# KiCad board GP1247AI.kicad_pcb
title: GP1247AI Power Supply Board; date: 2026-02-09
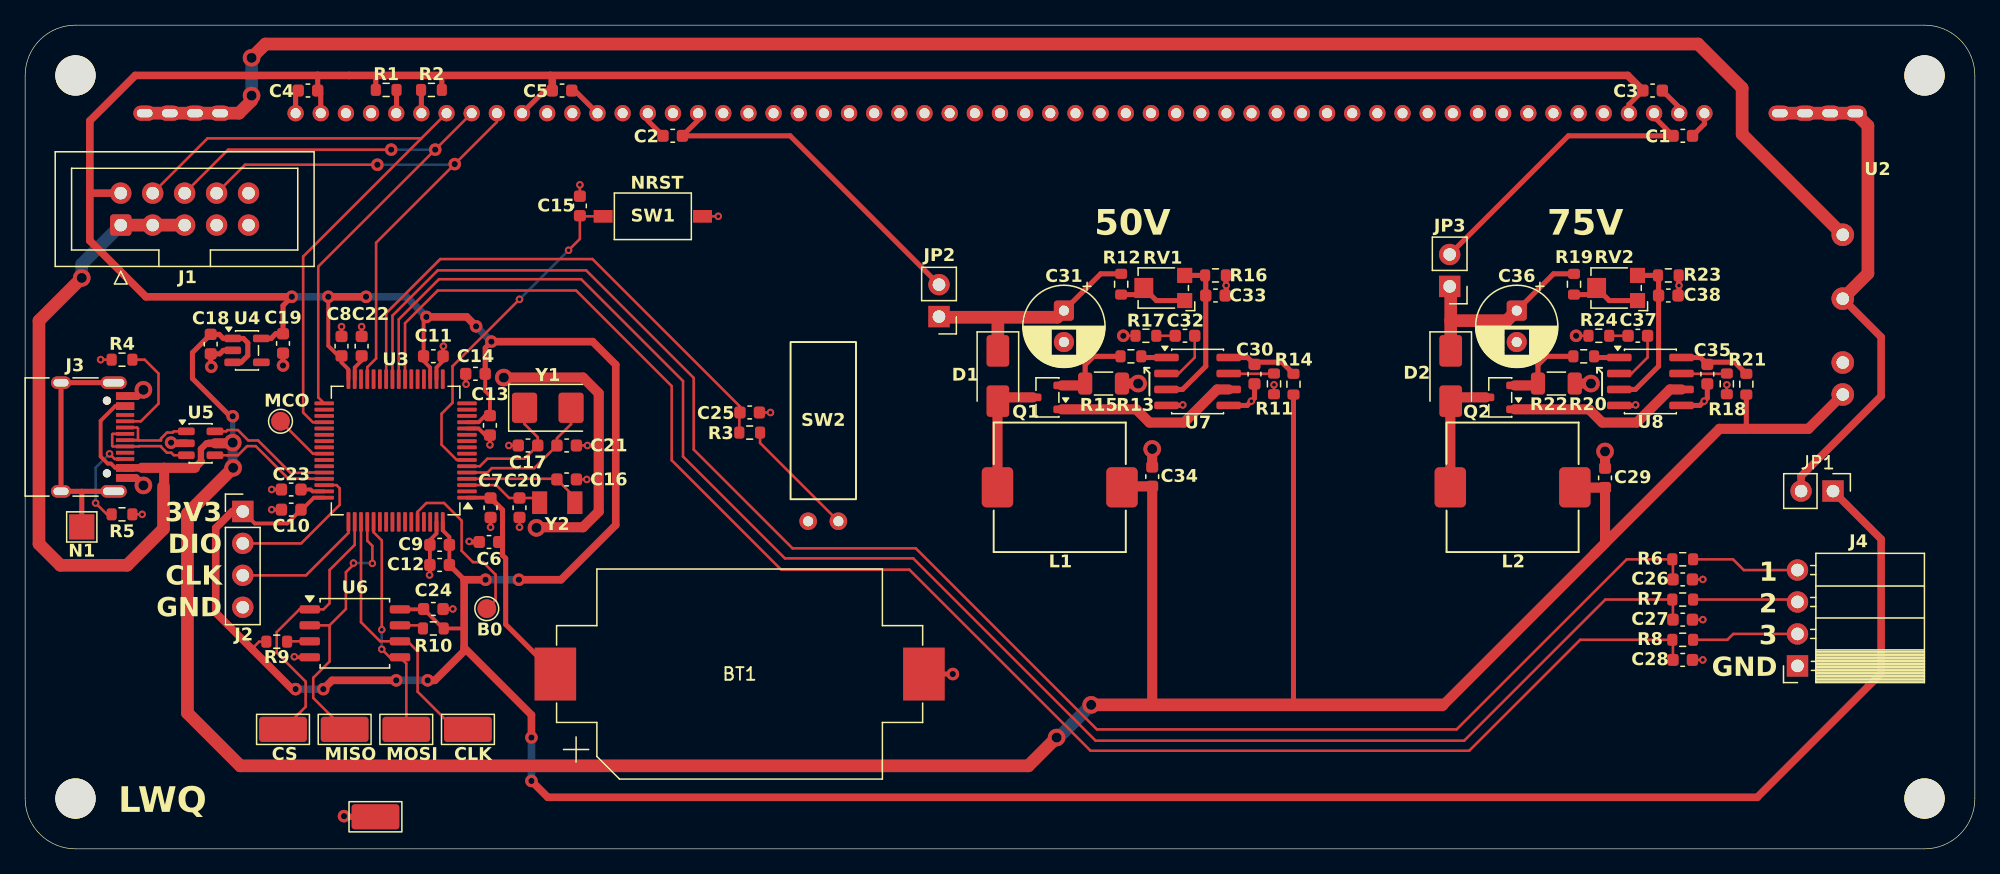
[diagram p0: board, top side]
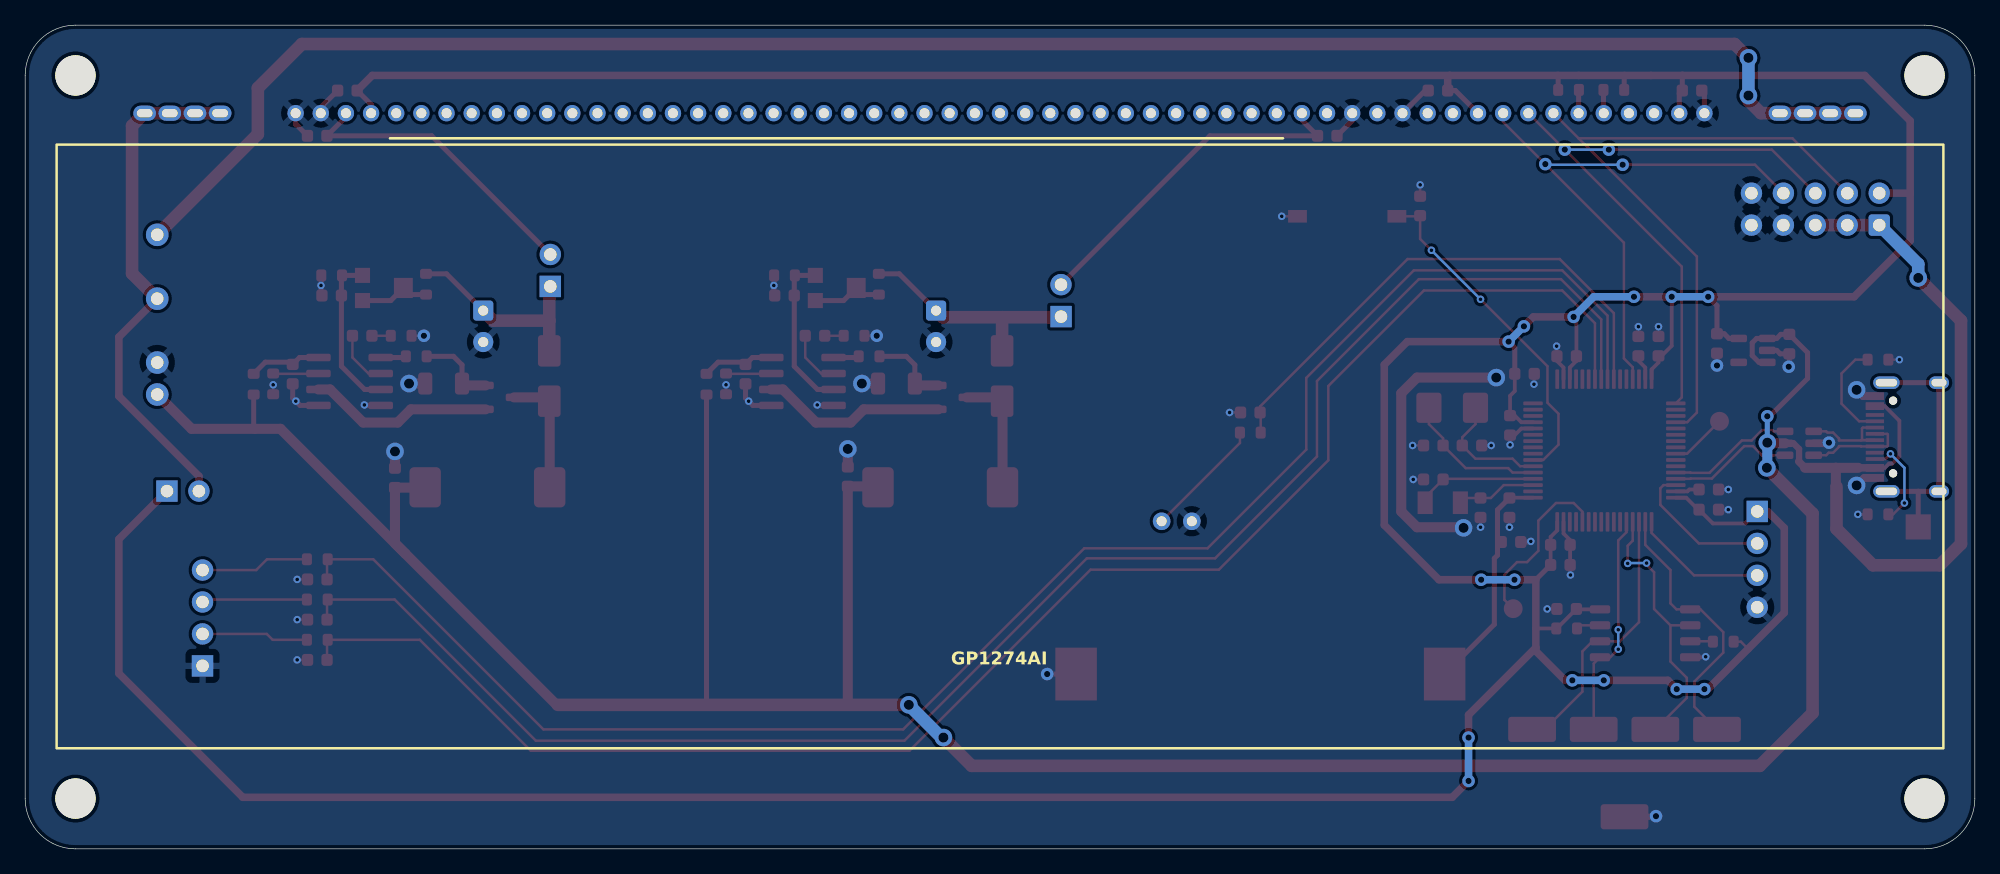
[diagram p1: board, bottom side, seen from below]

Outline 155 x 65.5 mm; copper layers: Top, Bottom. Coordinates in mm from the lower left corner of the outline.
Outline path: 0,61.5 0,4 arc(1.17,1.17) 4,0 151,0 arc(153.83,1.17) 155,4 155,61.5 arc(153.83,64.33) 151,65.5 4,65.5 arc(1.17,64.33) 0,61.5
Stack: Top 0.035mm / dielectric 1.51mm FR4 er 4.5 / Bottom 0.035mm

## Placement (name value [footprint] x y rotation side)
BT1  Battery_Cell  [QIJEY CR2032-BS-6-1]  56.8 13.9 0 top
C1  100n  [C_0603_1608Metric]  131.78 56.7 0 top
C2  100n  [C_0603_1608Metric]  51.48 56.7 180 top
C3  100n  [C_0603_1608Metric]  129.38 60.3 0 top
C4  100n  [C_0603_1608Metric]  22.48 60.3 180 top
C5  100n  [C_0603_1608Metric]  42.68 60.3 0 top
C6  22u  [C_0603_1608Metric]  36.88 24.4 180 top
C7  100n  [C_0603_1608Metric]  37 27.12 270 top
C8  100n  [C_0603_1608Metric]  25.15 39.97 90 top
C9  100n  [C_0603_1608Metric]  32.95 24.17 180 top
C10  100n  [C_0603_1608Metric]  21.15 26.97 180 top
C11  100n  [C_0603_1608Metric]  32.45 39.17 0 top
C12  22u  [C_0603_1608Metric]  32.95 22.58 180 top
C13  10n  [C_0603_1608Metric]  36.95 33.67 270 top
C14  2u2  [C_0603_1608Metric]  35.8 37.78 180 top
C15  100n  [C_0603_1608Metric]  44.1 51.12 270 top
C16  20p  [C_0603_1608Metric]  43.05 32.07 0 top
C17  20p  [C_0603_1608Metric]  39.98 32.07 180 top
C18  22u  [C_0603_1608Metric]  14.75 40.14 270 top
C19  22u  [C_0603_1608Metric]  20.5 40.19 270 top
C20  5p  [C_0603_1608Metric]  39.3 27.12 270 top
C21  5p  [C_0603_1608Metric]  43.05 29.37 0 top
C22  2u2  [C_0603_1608Metric]  26.75 39.97 90 top
C23  2u2  [C_0603_1608Metric]  21.15 28.58 180 top
C24  100n  [C_0603_1608Metric]  32.45 19.08 0 top
C25  22u  [C_0603_1608Metric]  57.6 34.7 0 top
C26  22u  [C_0603_1608Metric]  131.78 21.42 0 top
C27  22u  [C_0603_1608Metric]  131.78 18.22 0 top
C28  22u  [C_0603_1608Metric]  131.78 15.03 0 top
C29  22u  [C_0603_1608Metric]  125.6 29.5 90 top
C30  100n  [C_0603_1608Metric]  97.73 37.75 270 top
C31  22u  [CP_Radial_D6.3mm_P2.50mm]  82.58 42.8 270 top
C32  82p  [C_0603_1608Metric]  92.21 40.8 180 top
C33  82p  [C_0603_1608Metric]  94.63 44 0 top
C34  22u  [C_0603_1608Metric]  89.6 29.6 90 top
C35  100n  [C_0603_1608Metric]  133.73 37.75 270 top
C36  22u  [CP_Radial_D6.3mm_P2.50mm]  118.58 42.8 270 top
C37  180p  [C_0603_1608Metric]  128.21 40.8 180 top
C38  82p  [C_0603_1608Metric]  130.63 44 0 top
D1  SS310A  [D_SMA]  77.33 37.6 270 top
D2  SS310A  [D_SMA]  113.33 37.6 270 top
H1  MountingHole  [MountingHole_3.2mm_M3]  4 61.5 0 top
H2  MountingHole  [MountingHole_3.2mm_M3]  4 4 0 top
H3  MountingHole  [MountingHole_3.2mm_M3]  151 61.5 0 top
H4  MountingHole  [MountingHole_3.2mm_M3]  151 4 0 top
J1  Conn_02x05_Odd_Even  [IDC-Header_2x05_P2.54mm_Vertical]  7.6 49.6 90 top
J2  Conn_01x04_Pin  [PinHeader_1x04_P2.54mm_Vertical]  17.3 26.83 0 top
J3  USB_C_Receptacle_USB2.0_14P  [USB_TYPE-C-31-M-12]  3.9 32.75 270 top
J4  Conn_01x04_Socket  [PinSocket_1x04_P2.54mm_Horizontal]  140.9 14.55 180 top
JP1  Jumper_2_Small_Bridged  [PinHeader_1x02_P2.54mm_Vertical]  143.72 28.45 270 top
JP2  Jumper_2_Small_Bridged  [PinHeader_1x02_P2.54mm_Vertical]  72.65 42.33 180 top
JP3  Jumper_2_Small_Bridged  [PinHeader_1x02_P2.54mm_Vertical]  113.25 44.72 180 top
L1  56u  [Chilisin SCDS105R]  82.25 28.75 270 top
L2  56u  [Chilisin SCDS105R]  118.25 28.75 270 top
N1  Housing_Pad  [TestPoint_Pad_2.0x2.0mm]  4.5 25.6 0 top
Q1  G1003B-23  [SOT-23-3]  81.27 35.9 180 top
Q2  G1003B-23  [SOT-23-3]  117.27 35.9 180 top
R1  5k1  [R_0603_1608Metric]  28.7 60.35 0 top
R2  1k  [R_0603_1608Metric]  32.3 60.35 180 top
R3  1k  [R_0603_1608Metric]  57.6 33.1 180 top
R4  5k1  [R_0603_1608Metric]  7.7 38.9 180 top
R5  5k1  [R_0603_1608Metric]  7.7 26.6 0 top
R6  1k  [R_0603_1608Metric]  131.78 23.03 180 top
R7  1k  [R_0603_1608Metric]  131.78 19.83 180 top
R8  1k  [R_0603_1608Metric]  131.78 16.62 180 top
R9  5k1  [R_0603_1608Metric]  20 16.47 0 top
R10  5k1  [R_0603_1608Metric]  32.45 17.53 180 top
R11  20  [R_0603_1608Metric]  100.83 36.95 90 top
R12  33k  [R_0603_1608Metric]  87.13 44.9 270 top
R13  422  [R_0603_1608Metric]  87.91 39.17 180 top
R14  33k  [R_0603_1608Metric]  99.28 36.97 270 top
R15  140m  [R_1206_3216Metric]  85.73 37 0 top
R16  1k  [R_0603_1608Metric]  94.63 45.6 0 top
R17  1k  [R_0603_1608Metric]  89.1 40.8 180 top
R18  20  [R_0603_1608Metric]  136.83 36.95 90 top
R19  56k  [R_0603_1608Metric]  123.13 44.9 270 top
R20  8.2  [R_0603_1608Metric]  123.91 39.17 180 top
R21  33k  [R_0603_1608Metric]  135.28 36.97 270 top
R22  75m  [R_1206_3216Metric]  121.73 37 0 top
R23  1k  [R_0603_1608Metric]  130.63 45.6 0 top
R24  5k1  [R_0603_1608Metric]  125.11 40.8 180 top
RV1  0-10k  [Potentiometer_Bourns_TC33X_Vertical]  90.38 44.6 180 top
RV2  0-10k  [Potentiometer_Bourns_TC33X_Vertical]  126.38 44.6 180 top
SW1  SW_Push  [Korean Hroparts Elec K2-1107ST-A4DW-06]  49.9 50.3 180 top
SW2  -  [SW-520D]  63.45 26.05 0 top
TP1  TestPoint  [TestPoint_Pad_D1.5mm]  36.7 19.1 0 top
TP2  TestPoint  [TestPoint_Pad_D1.5mm]  20.3 34 0 top
TP3  TestPoint  [TestPoint_Keystone_5019_Miniature]  20.5 9.5 0 top
TP4  TestPoint  [TestPoint_Keystone_5019_Miniature]  35.2 9.5 0 top
TP5  TestPoint  [TestPoint_Keystone_5019_Miniature]  30.3 9.5 180 top
TP6  TestPoint  [TestPoint_Keystone_5019_Miniature]  25.4 9.5 0 top
TP7  TestPoint  [TestPoint_Keystone_5019_Miniature]  27.85 2.55 0 top
U1  ~  [GP1247AI]  77.5 32 180 bottom
U2  -  [B0505S-2WR3]  144.5 36.13 90 top
U3  STM32F405RGTx  [LQFP-64_10x10mm_P0.5mm]  29.45 31.67 180 top
U4  TLV75733PDBV  [SOT-23-5]  17.64 39.64 0 top
U5  USBLC6-2SC6  [SOT-23-6]  13.95 32.25 0 top
U6  W25Q128JVSIQ  [SOIC-8_5.3x5.3mm_P1.27mm]  26.21 17.14 0 top
U7  LM3478MA  [SOIC-8_3.9x4.9mm_P1.27mm]  93.21 37.17 0 top
U8  LM3478MA  [SOIC-8_3.9x4.9mm_P1.27mm]  129.21 37.17 0 top
Y1  8 MHz  [Crystal_SMD_5032-2Pin_5.0x3.2mm]  41.55 35.08 0 top
Y2  32.768 kHz  [SMD3215-2P]  42.3 27.53 0 top

## Library data of the parts
BT1 = -: Datasheet: https://www.lcsc.com/datasheet/C70377.pdf; Description: Single-cell battery; Sim.Device: V; Sim.Type: DC; Sim.Pins: 1=+ 2=-; LCSC PART #: C70377
C1-C5 C13 C15 C24 C30 C35 = -: Datasheet: https://www.lcsc.com/datasheet/C15725.pdf; Description: Unpolarized capacitor; LCSC PART #: C15725; ki_fp_filters: C_*
C6 C12 C18 C19 C25-C29 C34 = -: Datasheet: https://www.lcsc.com/datasheet/C7432770.pdf; Description: Unpolarized capacitor; LCSC PART #: C7432770; ki_fp_filters: C_*
C7-C11 = -: Datasheet: https://www.lcsc.com/datasheet/C15725.pdf; Description: Unpolarized capacitor, small symbol; LCSC PART #: C15725; ki_fp_filters: C_*
C14 = -: Datasheet: https://www.lcsc.com/datasheet/C23630.pdf; Description: Unpolarized capacitor; LCSC PART #: C23630; ki_fp_filters: C_*
C16 C17 = -: Datasheet: https://www.lcsc.com/datasheet/C326779.pdf; Description: Unpolarized capacitor, small symbol; LCSC PART #: C326779; ki_fp_filters: C_*
C20 C21 = -: Datasheet: https://www.lcsc.com/datasheet/C327203.pdf; Description: Unpolarized capacitor, small symbol; LCSC PART #: C327203; ki_fp_filters: C_*
C22 C23 = -: Datasheet: https://www.lcsc.com/datasheet/C23630.pdf; Description: Unpolarized capacitor, small symbol; LCSC PART #: C23630; ki_fp_filters: C_*
C31 C36 = -: Datasheet: https://www.lcsc.com/datasheet/C44606504.pdf; Description: Polarized capacitor; LCSC PART #: C44606504; ki_fp_filters: CP_*
C32 C33 C38 = -: Datasheet: https://www.lcsc.com/datasheet/C1864236.pdf; Description: Unpolarized capacitor; LCSC PART #: C1864236; ki_fp_filters: C_*
C37 = -: Datasheet: https://www.lcsc.com/datasheet/C2170987.pdf; Description: Unpolarized capacitor; LCSC PART #: C2170987; ki_fp_filters: C_*
D1 D2 = -: Datasheet: https://www.lcsc.com/datasheet/C48996628.pdf; Description: Schottky diode; LCSC PART #: C48996628; ki_fp_filters: TO-???* *_Diode_* *SingleDiode* D_*
H1-H4 = -: Description: Mounting Hole without connection; ki_fp_filters: MountingHole*
J1 = -: Description: Generic connector, double row, 02x05, odd/even pin numbering scheme (row 1 odd numbers, row 2 even numbers), script generated (kicad-library-utils/schlib/autogen/connector/); ki_fp_filters: Connector*:*_2x??_*
J2 J4 = -: Datasheet: https://www.lcsc.com/datasheet/C2897386.pdf; Description: Generic connector, single row, 01x04, script generated; LCSC PART #: C2897386; ki_fp_filters: Connector*:*_1x??_*
J3 = -: Datasheet: https://www.usb.org/sites/default/files/documents/usb_type-c.zip; Description: USB 2.0-only 14P Type-C Receptacle connector; LCSC PART #: C165948; ki_fp_filters: USB*C*Receptacle*
JP1-JP3 = -: Description: Jumper, 2-pole, small symbol, bridged; ki_fp_filters: Jumper* TestPoint*2Pads* TestPoint*Bridge*
L1 L2 = -: Datasheet: https://www.lcsc.com/datasheet/C329728.pdf; Description: Inductor; LCSC PART #: C329728; ki_fp_filters: Choke_* *Coil* Inductor_* L_*
N1 = -: Description: Housing with connection pin
Q1 Q2 = -: Datasheet: https://www.lcsc.com/datasheet/C41367401.pdf; LCSC PART #: C22362809; ki_fp_filters: SOT?23*
R1 R4 R5 R9 R10 R24 = -: Datasheet: https://www.lcsc.com/datasheet/C23186.pdf; Description: Resistor; LCSC PART #: C23186; ki_fp_filters: R_*
R2 R3 R6-R8 R16 R17 R23 = -: Datasheet: https://www.lcsc.com/datasheet/C2907002.pdf; Description: Resistor; LCSC PART #: C2907002; ki_fp_filters: R_*
R11 R18 = -: Datasheet: https://www.lcsc.com/datasheet/C2907012.pdf; Description: Resistor; LCSC PART #: C2907012; ki_fp_filters: R_*
R12 R14 R21 = -: Datasheet: https://www.lcsc.com/datasheet/C2907028.pdf; Description: Resistor; LCSC PART #: C2907028; ki_fp_filters: R_*
R13 = -: Datasheet: https://www.lcsc.com/datasheet/C5204003.pdf; Description: Resistor; LCSC PART #: C5204003; ki_fp_filters: R_*
R15 = -: Datasheet: https://www.lcsc.com/datasheet/C37935.pdf; Description: Resistor; LCSC PART #: C37935; ki_fp_filters: R_*
R19 = -: Datasheet: https://www.lcsc.com/datasheet/C2907053.pdf; Description: Resistor; LCSC PART #: C2907053; ki_fp_filters: R_*
R20 = -: Datasheet: https://www.lcsc.com/datasheet/C861594.pdf; Description: Resistor; LCSC PART #: C861594; ki_fp_filters: R_*
R22 = -: Datasheet: https://www.lcsc.com/datasheet/C2904225.pdf; Description: Resistor; LCSC PART #: C2904225; ki_fp_filters: R_*
RV1 RV2 = -: Datasheet: https://www.lcsc.com/datasheet/C719176.pdf; Description: Potentiometer; LCSC PART #: C719176; ki_fp_filters: Potentiometer*
SW1 = -: Datasheet: https://www.lcsc.com/datasheet/C118141.pdf; Description: Push button switch, generic, two pins; LCSC PART #: C118141
SW2 = -: Datasheet: https://www.lcsc.com/datasheet/C2905288.pdf; Description: Single Pole Single Throw (SPST) switch; LCSC PART #: C2905288
TP1 TP2 = -: Description: test point; ki_fp_filters: Pin* Test*
TP3-TP7 = -: Datasheet: https://www.lcsc.com/datasheet/C5199800.pdf; Description: test point; LCSC PART #: C5199800; ki_fp_filters: Pin* Test*
U1 = -: Datasheet: https://drive.google.com/file/d/1AvN5UNpLIzMM8QzgwikIQiSCDImiOtRc/view?usp=drivesdk; Description: 253x63 chip on glass VFD
U2 = -: Datasheet: https://www.lcsc.com/datasheet/C7465195.pdf; Description: 400mA 5V isolated power supply; LCSC PART #: C7465195; ki_fp_filters: Converter*DCDC*TRACO*TMA*05xx*Single*
U3 = -: Datasheet: https://www.st.com/resource/en/datasheet/stm32f405rg.pdf; Description: STMicroelectronics Arm Cortex-M4 MCU, 1024KB flash, 192KB RAM, 168 MHz, 1.8-3.6V, 51 GPIO, LQFP64; LCSC PART #: C15742; ki_fp_filters: LQFP*10x10mm*P0.5mm*
U4 = -: Datasheet: https://www.ti.com/lit/ds/symlink/tlv757p.pdf; Description: 1A Low IQ Small Size Low Dropout Voltage Regulator, Fixed Output 3.3V, SOT-23-5; LCSC PART #: C485517; ki_fp_filters: SOT?23*
U5 = -: Datasheet: https://www.st.com/resource/en/datasheet/usblc6-2.pdf; Description: Very low capacitance ESD protection diode, 2 data-line, SOT-23-6; LCSC PART #: C7519; ki_fp_filters: SOT?23*
U6 = -: Datasheet: https://www.lcsc.com/datasheet/C97521.pdf; Description: 128Mbit / 16MiB Serial Flash Memory, Standard/Dual/Quad SPI, 2.7-3.6V, SOIC-8; LCSC PART #: C97521; ki_fp_filters: *SOIC*5.3x5.3mm*P1.27mm*
U7 U8 = -: Datasheet: https://www.ti.com/lit/gpn/lm3478; Description: 2.97~40V Wide Input Range Boost/SEPIC/Flyback DC-DC Controller, SOIC-8; LCSC PART #: C115907; ki_fp_filters: SOIC-8*3.9x4.9mm_P1.27mm*
Y1 = -: Datasheet: https://www.lcsc.com/datasheet/C46613796.pdf; Description: Two pin crystal CL = 20pF; LCSC PART #: C46613796; ki_fp_filters: Crystal*
Y2 = -: Datasheet: https://www.lcsc.com/datasheet/C42438016.pdf; Description: Two pin crystal CL = 12.5pF; LCSC PART #: C42438016; ki_fp_filters: Crystal*

## Footprints (pads in the part's own frame, mm; a bottom-side part is the same pattern mirrored in y, then rotated)
B0505S-2WR3
  round 1.8 hole 1: 1(0,0) 2(2.54,0) 4(7.62,0) 6(12.7,0)
C_0603_1608Metric
  rrect 0.9x0.95 smd: 1(-0.775,0) 2(0.775,0)
Chilisin SCDS105R
  rrect 3.2x2.5 smd: 1(0,4.95) 2(0,-4.95)
CP_Radial_D6.3mm_P2.50mm
  rrect 1.6x1.6 hole 0.8: 1(0,0)
  round 1.6 hole 0.8: 2(2.5,0)
Crystal_SMD_5032-2Pin_5.0x3.2mm
  rrect 2x2.4 smd: 1(-1.85,0) 2(1.85,0)
D_SMA
  rrect 2.5x1.8 smd: 1(-2,0) 2(2,0)
GP1247AI
  oval 1.8x1.2 hole 1.25x0.65: 1(68,26.5) 2(66,26.5) 3(64,26.5) 4(62,26.5) 62(-62,26.5) 63(-64,26.5) 64(-66,26.5) 65(-68,26.5)
  round 1.3 hole 0.8: 5(56,26.5) 6(54,26.5) 7(52,26.5) 8(50,26.5) 9(48,26.5) 10(46,26.5) 11(44,26.5) 12(42,26.5) 13(40,26.5) 14(38,26.5) 15(36,26.5) 16(34,26.5) 17(32,26.5) 18(30,26.5) 19(28,26.5) 20(26,26.5) 21(24,26.5) 22(22,26.5) 23(20,26.5) 24(18,26.5) 25(16,26.5) 26(14,26.5) 27(12,26.5) 28(10,26.5) 29(8,26.5) 30(6,26.5) 31(4,26.5) 32(2,26.5) 33(0,26.5) 34(-2,26.5) 35(-4,26.5) 36(-6,26.5) 37(-8,26.5) 38(-10,26.5) 39(-12,26.5) 40(-14,26.5) 41(-16,26.5) 42(-18,26.5) 43(-20,26.5) 44(-22,26.5) 45(-24,26.5) 46(-26,26.5) 47(-28,26.5) 48(-30,26.5) 49(-32,26.5) 50(-34,26.5) 51(-36,26.5) 52(-38,26.5) 53(-40,26.5) 54(-42,26.5) 55(-44,26.5) 56(-46,26.5) 57(-48,26.5) 58(-50,26.5) 59(-52,26.5) 60(-54,26.5) 61(-56,26.5)
IDC-Header_2x05_P2.54mm_Vertical
  rrect 1.7x1.7 hole 1: 1(0,0)
  round 1.7 hole 1: 2(2.54,0) 3(0,-2.54) 4(2.54,-2.54) 5(0,-5.08) 6(2.54,-5.08) 7(0,-7.62) 8(2.54,-7.62) 9(0,-10.16) 10(2.54,-10.16)
Korean Hroparts Elec K2-1107ST-A4DW-06
  rect 1.5x1 smd: 1(-3.95,0) 2(3.95,0)
LQFP-64_10x10mm_P0.5mm
  rrect 1.55x0.3 smd: 1(-5.675,3.75) 2(-5.675,3.25) 3(-5.675,2.75) 4(-5.675,2.25) 5(-5.675,1.75) 6(-5.675,1.25) 7(-5.675,0.75) 8(-5.675,0.25) 9(-5.675,-0.25) 10(-5.675,-0.75) 11(-5.675,-1.25) 12(-5.675,-1.75) 13(-5.675,-2.25) 14(-5.675,-2.75) 15(-5.675,-3.25) 16(-5.675,-3.75) 33(5.675,-3.75) 34(5.675,-3.25) 35(5.675,-2.75) 36(5.675,-2.25) 37(5.675,-1.75) 38(5.675,-1.25) 39(5.675,-0.75) 40(5.675,-0.25) 41(5.675,0.25) 42(5.675,0.75) 43(5.675,1.25) 44(5.675,1.75) 45(5.675,2.25) 46(5.675,2.75) 47(5.675,3.25) 48(5.675,3.75)
  rrect 0.3x1.55 smd: 17(-3.75,-5.675) 18(-3.25,-5.675) 19(-2.75,-5.675) 20(-2.25,-5.675) 21(-1.75,-5.675) 22(-1.25,-5.675) 23(-0.75,-5.675) 24(-0.25,-5.675) 25(0.25,-5.675) 26(0.75,-5.675) 27(1.25,-5.675) 28(1.75,-5.675) 29(2.25,-5.675) 30(2.75,-5.675) 31(3.25,-5.675) 32(3.75,-5.675) 49(3.75,5.675) 50(3.25,5.675) 51(2.75,5.675) 52(2.25,5.675) 53(1.75,5.675) 54(1.25,5.675) 55(0.75,5.675) 56(0.25,5.675) 57(-0.25,5.675) 58(-0.75,5.675) 59(-1.25,5.675) 60(-1.75,5.675) 61(-2.25,5.675) 62(-2.75,5.675) 63(-3.25,5.675) 64(-3.75,5.675)
MountingHole_3.2mm_M3
  round 3.2 hole 3.2 unplated: (0,0)
PinHeader_1x02_P2.54mm_Vertical
  rect 1.7x1.7 hole 1: 1(0,0)
  round 1.7 hole 1: 2(0,-2.54)
PinHeader_1x04_P2.54mm_Vertical
  rect 1.7x1.7 hole 1: 1(0,0)
  round 1.7 hole 1: 2(0,-2.54) 3(0,-5.08) 4(0,-7.62)
PinSocket_1x04_P2.54mm_Horizontal
  rect 1.7x1.7 hole 1: 1(0,0)
  round 1.7 hole 1: 2(0,-2.54) 3(0,-5.08) 4(0,-7.62)
Potentiometer_Bourns_TC33X_Vertical
  rect 1.2x1.2 smd: 1(-1.8,1) 3(-1.8,-1)
  rect 1.5x1.6 smd: 2(1.45,0)
QIJEY CR2032-BS-6-1
  rect 3.3x4.2 smd: 1(-14.65,0) 2(14.65,0)
R_0603_1608Metric
  rrect 0.8x0.95 smd: 1(-0.825,0) 2(0.825,0)
R_1206_3216Metric
  rrect 1.125x1.75 smd: 1(-1.462,0) 2(1.462,0)
SMD3215-2P
  rect 1.2x1.8 smd: 1(-1.4,0) 2(1.4,0)
SOIC-8_3.9x4.9mm_P1.27mm
  rrect 1.95x0.6 smd: 1(-2.475,1.905) 2(-2.475,0.635) 3(-2.475,-0.635) 4(-2.475,-1.905) 5(2.475,-1.905) 6(2.475,-0.635) 7(2.475,0.635) 8(2.475,1.905)
SOIC-8_5.3x5.3mm_P1.27mm
  rrect 1.625x0.65 smd: 1(-3.587,1.905) 2(-3.587,0.635) 3(-3.587,-0.635) 4(-3.587,-1.905) 5(3.587,-1.905) 6(3.587,-0.635) 7(3.587,0.635) 8(3.587,1.905)
SOT-23-3
  rrect 1.325x0.6 smd: 1(-1.137,0.95) 2(-1.137,-0.95) 3(1.137,0)
SOT-23-5
  rrect 1.325x0.6 smd: 1(-1.137,0.95) 2(-1.137,0) 3(-1.137,-0.95) 4(1.137,-0.95) 5(1.137,0.95)
SOT-23-6
  rrect 1.325x0.6 smd: 1(-1.137,0.95) 2(-1.137,0) 3(-1.137,-0.95) 4(1.137,-0.95) 5(1.137,0) 6(1.137,0.95)
SW-520D
  round 1.4 hole 0.8: 1(-1.2,0) 2(1.2,0)
TestPoint_Keystone_5019_Miniature
  rrect 3.8x2 smd: 1(0,0)
TestPoint_Pad_2.0x2.0mm
  rect 2x2 smd: 1(0,0)
TestPoint_Pad_D1.5mm
  round 1.5 smd: 1(0,0)
USB_TYPE-C-31-M-12
  round 0.65 hole 0.65 unplated: (-2.89,2.6) (2.89,2.6)
  rect 0.6x1.45 smd: A1(-3.25,4.045) A4(-2.45,4.045) A9(2.45,4.045) A12(3.25,4.045) B1(3.25,4.045) B4(2.45,4.045) B9(-2.45,4.045) B12(-3.25,4.045)
  rect 0.3x1.45 smd: A5(-1.25,4.045) A6(-0.25,4.045) A7(0.25,4.045) A8(1.25,4.045) B5(1.75,4.045) B6(0.75,4.045) B7(-0.75,4.045) B8(-1.75,4.045)
  oval 1x2.1 hole 0.6x1.7: S1(-4.32,3.13) S1(4.32,3.13)
  oval 1x1.6 hole 0.6x1.2: S1(-4.32,-1.05) S1(4.32,-1.05)

## Nets
+3V3: C3.1 C4.1 C5.1 C8.1 C9.1 C10.1 C11.1 C12.1 C13.1 C14.1 C19.1 C24.1 J1.2 J2.1 JP1.1 R1.1 R2.1 R9.1 R10.1 U1.6 U1.14 U1.58 U3.13 U3.19 U3.32 U3.48 U3.64 U4.5 U6.8
+5V: C18.1 C29.1 C34.1 J1.1 J1.3 J1.5 J3.A4 J3.A9 J3.B4 J3.B9 L1.1 L2.1 R11.1 R18.1 U2.1 U4.1 U4.3 U5.5
+50V: C2.1 JP2.2 U1.21
+75V: C1.1 JP3.2 U1.59
/50V Boost/50V_BOOST: C31.1 D1.1 JP2.1 R12.1
/50V Boost/VIN: C30.1 R11.2 U7.8
/75V Boost/75V_BOOST: C36.1 D2.1 JP3.1 R19.1
/75V Boost/VIN: C35.1 R18.2 U8.8
GND: BT1.2 C1.2 C2.2 C3.2 C4.2 C5.2 C6.2 C7.2 C8.2 C9.2 C10.2 C11.2 C12.2 C13.2 C14.2 C15.1 C16.2 C17.2 C18.2 C19.2 C20.2 C21.2 C22.2 C23.2 C24.2 C25.2 C26.2 C27.2 C28.2 C29.2 C30.2 C31.2 C33.2 C34.2 C35.2 C36.2 C38.2 J1.7 J1.9 J1.10 J2.4 J3.A1 J3.A12 J3.B1 J3.B12 J4.1 R4.2 R5.2 R14.2 R15.2 R16.2 R17.2 R21.2 R22.2 R23.2 R24.2 SW1.1 SW2.1 TP7.1 U1.5 U1.17 U1.19 U1.60 U1.61 U2.2 U3.12 U3.18 U3.63 U4.2 U5.2 U6.4 U7.4 U7.5 U8.4 U8.5
VBAT: BT1.1 C6.1 C7.1 U3.1
/50V Boost/COMP: C32.1 U7.2
/50V Boost/FA: R14.1 U7.7
/50V Boost/FB: C33.1 R16.1 RV1.3 U7.3
/50V Boost/G_DR: Q1.1 U7.6
/50V Boost/I_SEN: R13.1 U7.1
/50V Boost/SRC: Q1.2 R13.2 R15.1
/50V Boost/SW_NODE: D1.2 L1.2 Q1.3
/75V Boost/COMP: C37.1 U8.2
/75V Boost/FA: R21.1 U8.7
/75V Boost/FB: C38.1 R23.1 RV2.3 U8.3
/75V Boost/G_DR: Q2.1 U8.6
/75V Boost/I_SEN: R20.1 U8.1
/75V Boost/SRC: Q2.2 R20.2 R22.1
/75V Boost/SW_NODE: D2.2 L2.2 Q2.3
/B0: TP1.1 U3.60
/CC1: J3.A5 R4.1
/CC2: J3.B5 R5.1
/CD+: J3.A6 J3.B6 U5.3
/CD-: J3.A7 J3.B7 U5.1
/F+: U1.1 U1.2 U1.3 U1.4 U2.6
/F-: JP1.2 U1.62 U1.63 U1.64 U1.65 U2.4
/HOLD: R10.2 U6.7
/MCO: TP2.1 U3.41
/OSC32_IN: C20.1 U3.3 Y2.1
/OSC32_OUT: C21.1 U3.4 Y2.2
/OSC_IN: C16.1 U3.5 Y1.2
/OSC_OUT: C17.1 U3.6 Y1.1
/SWCLK: J2.3 U3.49
/SWDIO: J2.2 U3.46
/TEST: R1.2 U1.9
/VCAP_1: C22.1 U3.31
/VCAP_2: C23.1 U3.47
/WP: R9.2 U6.3
D+: U3.45 U5.4
D-: U3.44 U5.6
DISP_CLK: J1.8 U1.13 U3.29
DISP_CS: J1.6 U1.12 U3.33
DISP_DIO: J1.4 U1.11 U3.36
FLASH_CLK: TP4.1 U3.51 U6.6
FLASH_CS: TP3.1 U3.50 U6.1
FLASH_MISO: TP6.1 U3.52 U6.2
FLASH_MOSI: TP5.1 U3.53 U6.5
SW1: C26.1 R6.2 U3.25
SW2: C27.1 R7.2 U3.24
SW3: C28.1 R8.2 U3.23
TILT: C25.1 R3.2 U3.26
Net-(C32-Pad2): C32.2 R17.1
Net-(C37-Pad2): C37.2 R24.1
Net-(J3-SHIELD): J3.S1 N1.1
Net-(J4-Pin_2): J4.2 R8.1
Net-(J4-Pin_3): J4.3 R7.1
Net-(J4-Pin_4): J4.4 R6.1
Net-(R12-Pad2): R12.2 RV1.1 RV1.2
Net-(R19-Pad2): R19.2 RV2.1 RV2.2
Net-(SW2-B): R3.1 SW2.2
Net-(U1-~{RESET}): R2.2 U1.10
Net-(U3-NRST): C15.2 SW1.2 U3.7

Pads without a net: J3 A8 B8; U1 7 8 15 16 18 20 22 23 24 25 26 27 28 29 30 31 32 33 34 35 36 37 38 39 40 41 42 43 44 45 46 47 48 49 50 51 52 53 54 55 56 57; U3 2 8 9 10 11 14 15 16 17 20 21 22 27 28 30 34 35 37 38 39 40 42 43 54 55 56 57 58 59 61 62; U4 4

## Via types
v1: diameter 0.6, hole 0.3, Top to Bottom, 40 vias
v2: diameter 1.4, hole 0.8, Top to Bottom, 15 vias
v3: diameter 1, hole 0.5, Top to Bottom, 26 vias

## Routing (per net, layer and track width the routed paths; a pad name or vN(x,y) marks a point on that pad's centre or on a via; arc(x,y) is an arc through that point)
+3V3: length 446.9
  Top w0.2: R9.1 18.6,16.47 18.03,15.9
  Top w0.3: 22,26.97 22.95,27.92 U3.48 ; v3(24.1,43.9) 24.1,40 24.9,39.2 ; 33.72,22.58 33.72,24.8 33.2,25.33 U3.64 ; C14.1 36.58,36.4 36.95,36.03 C13.1 36.58,34.45 36.05,33.92 U3.13 ; U3.19 32.2,38.28 31.67,38.8 C11.1 31.67,42.08 v3(31.9,42.3) ; U3.32 25.7,38.12 25.15,38.67 C8.1 ; 33.22,17.53 C24.1 ; U6.8 31.64,19.05 ; 21.92,26.97 20.83,25.88 18.25,25.88 J2.1 ; R10.1 34.9,17.53
  Top w0.4: 27.85,61.5 27.88,61.48 R1.1 ; U1.6 23.5,60.06 ; 33.15,61.5 33.12,61.48 R2.1 ; C4.1 23.26,61.49 ; U1.14 41.3,60.3 C5.1 ; v3(21.2,43.9) 20.5,43.2 C19.1 19.92,40.96 19.55,40.59 U4.5 ; v3(21.5,12.7) 21.22,12.7 ; C3.1 127.5,59.19 U1.58 ; C14.1 36.58,39.84 v3(37.07,40.33) ; 34.9,21.4 33.72,22.58 ; 16.47,26.83 J2.1
  Top w0.6: 41.75,61.5 23.25,61.5 ; 41.75,61.5 127.41,61.5 C3.1 ; 41.75,61.5 41.91,61.34 C5.1 ; 5.14,52.15 5.14,48.36 9.6,43.9 v3(21.2,43.9) ; 5.14,52.15 5.15,52.14 J1.2 ; 5.14,52.15 5.14,57.89 8.75,61.5 23.25,61.5 ; 34.9,16 34.9,15.72 32.58,13.4 v3(32,13.4) ; 34.9,16 34.9,21.4 v3(36.6,21.4) ; 34.9,16 40.25,10.65 v3(40.25,8.85) ; 21.22,12.7 15.15,18.78 15.15,25.52 16.47,26.83 ; 23.25,61.5 23.26,61.49 ; v3(40.25,5.4) 41.55,4.1 137.7,4.1 147.55,13.95 147.55,24.62 JP1.1 ; v3(35.85,41.55) 35.1,42.3 v3(31.9,42.3) ; v3(39.25,21.4) 42.6,21.4 46.95,25.75 46.95,38.5 45.12,40.33 v3(37.07,40.33) ; v3(23.7,12.7) 24.4,13.4 v3(29.5,13.4) ; v3(24.1,43.9) v3(27.1,43.9)
  Bottom w0.6: v3(32,13.4) v3(29.5,13.4) ; v3(39.25,21.4) v3(36.6,21.4) ; v3(27.1,43.9) 30.3,43.9 v3(31.9,42.3) ; v3(40.25,8.85) v3(40.25,5.4) ; v3(21.2,43.9) v3(24.1,43.9) ; v3(35.85,41.55) v3(37.07,40.33) ; v3(23.7,12.7) v3(21.5,12.7)
+5V: length 307.5
  Top w0.3: 7.94,35.2 7.16,35.2 6,34.04 6,31.2 6.56,30.64 6.82,30.64 7.16,30.3 7.94,30.3
  Top w0.4: 136.75,33.4 136.83,33.48 R18.1 ; 100.9,11.4 100.83,11.47 R11.1 ; U4.3 17.16,38.69 17.7,39.22 17.7,40.24 17.35,40.59 U4.1 15.75,40.59 15.42,40.91 C18.1 13.3,39.46 13.3,37.4 16.3,34.4 v3(16.5,34.4)
  Top w0.5: 14,30.8 13.97,30.83 13.97,31.8 14.43,32.25 U5.5
  Top w0.6: 13.5,30.3 14,30.8 ; 7.94,30.3 9.27,30.3
  Top w0.8: 11,28.8 11.05,28.85 11.05,30.3 ; 124.78,23.47 125.6,24.3 C29.1 123.22,28.72 ; 124.78,23.47 134.7,33.4 141.77,33.4 U2.1 ; 124.78,23.47 112.75,11.45 112.65,11.45 ; 11.05,30.3 13.5,30.3 ; 11.05,30.3 9.27,30.3 ; U5.5 16.45,32.25 v2(16.5,32.3) ; 87.28,28.83 C34.1 89.6,11.4
  Top w1: v2(82,8.85) 79.75,6.6 17.1,6.6 12.9,10.8 12.9,26.66 v2(16.53,30.3) ; v2(4.5,45.4) 1.1,42 1.1,24.25 2.8,22.55 8.1,22.55 11,25.45 11,28.8 ; v2(84.75,11.45) 112.65,11.45 ; J1.5 J1.1
  Bottom w0.4: v3(16.5,34.4) v2(16.5,32.3)
  Bottom w0.8: v2(16.5,32.3) 16.5,30.33 v2(16.53,30.3)
  Bottom w1: v2(4.5,45.4) 4.5,46.5 J1.1 ; v2(84.75,11.45) 82.15,8.85 v2(82,8.85)
+50V: length 27.1
  Top w0.4: 53.5,57.94 C2.1 60.81,56.7 72.65,44.86
+75V: length 23.8
  Top w0.4: JP3.2 122.69,56.7 C1.1 129.5,58.21
/50V Boost/50V_BOOST: length 18.6
  Top w0.4: 87.13,45.72 85.51,45.72 C31.1
  Top w1: 77.3,42.28 77.33,42.24 D1.1 ; 77.3,42.28 72.7,42.28 JP2.1 ; 77.3,42.28 82.06,42.28 C31.1
/50V Boost/VIN: length 5.6
  Top w0.4: R11.2 99.91,38.7 97.91,38.7 ; U7.8 97.19,39.07 C30.1
/75V Boost/75V_BOOST: length 16.4
  Top w0.4: 123.13,45.72 121.51,45.72 C36.1
  Top w1: 113.33,42 113.33,44.64 ; 113.33,42 117.78,42 C36.1 ; 113.33,42 D2.1
/75V Boost/VIN: length 5.6
  Top w0.4: R18.2 135.91,38.7 133.91,38.7 ; U8.8 133.19,39.07 C35.1
GND: length 95.6
  Top w0.2: R24.2 v3(123.3,40.8) ; 88.28,40.8 v3(87.3,40.8) ; C16.2 v1(44.7,32.08) ; R21.2 v1(135.28,36.9) ; C17.2 v1(38.45,32.08) ; C26.2 v1(133.38,21.42) ; C25.2 v1(59.25,34.7) ; R5.2 v1(9.3,26.6) ; C28.2 v1(133.38,15.03) ; C15.1 v1(44.1,52.8) ; R14.2 v1(99.28,36.9) ; SW1.1 v1(55.1,50.3) ; C20.2 v1(39.3,25.58) ; 43.82,29.37 v1(44.65,29.38) ; C27.2 v1(133.38,18.22) ; R4.2 v1(6,38.9)
  Top w0.3: C23.2 v1(19.6,28.58) ; 33.22,19.08 v1(34,19.08) ; U6.4 21.44,15.23 v1(21.4,15.28) ; U3.12 36.05,33.42 36.58,32.9 C13.2 v1(36.95,32.12) ; v1(35.05,36.95) 35.03,36.97 C14.2 ; C22.2 v1(26.75,41.53) ; U3.18 32.7,38.28 33.22,38.8 33.22,39.95 v1(33.25,39.97) ; C10.2 v1(19.6,26.97) ; v1(32.15,21.78) 32.17,21.8 C12.2 C9.2 32.17,24.55 32.7,25.08 U3.63 ; C7.2 v1(37,25.58) ; C8.2 v1(25.15,41.53)
  Top w0.4: U1.61 133.5,57.64 C1.2 ; R16.2 95.46,44.83 v1(95.48,44.8) 95.48,44.08 ; C6.2 35.35,24.4 v1(35.3,24.45) ; 131.48,44.08 v1(131.48,44.8) 131.46,44.83 R23.2 ; v3(14.8,38.34) 14.75,38.38 C18.2 15.47,39.36 15.75,39.64 U4.2 ; 43.7,60.3 U1.17 ; v1(92.03,35.3) 91.99,35.26 U7.4 ; BT1.2 v3(73.75,13.9) ; U8.4 127.99,35.26 v1(128.03,35.3) ; C30.2 97.73,35.85 v1(97.48,35.6) 97.14,35.26 U7.5 ; U8.5 133.14,35.26 v1(133.48,35.6) 133.73,35.85 C35.2 ; C19.2 v3(20.5,38.44) ; C3.2 131.5,58.96 ; C2.2 49.5,57.91 ; 21.5,60.09 U1.5
  Top w0.5: TP7.1 25.4,2.55 v3(25.35,2.6)
  Top w0.6: v3(11.6,32.3) 11.65,32.25 U5.2 ; v2(9.4,36.5) 8.9,36 7.94,36 ; 7.94,29.5 8.8,29.5 v2(9.4,28.9)
  Top w0.8: C34.2 v2(89.6,31.8) ; R22.2 v2(124.48,37) ; C29.2 v2(125.6,31.6) ; R15.2 v2(88.48,37) ; v2(40.65,25.53) 40.7,25.58 44.35,25.58 45.6,26.83 45.6,36.22 44.35,37.47 v2(38.05,37.47)
VBAT: length 18
  Top w0.3: U3.1 36.97,27.92
  Top w0.4: BT1.1 38.2,17.85 38.2,23.1 37.95,23.35 37.95,26.95 C7.1
/50V Boost/COMP: length 4.5
  Top w0.2: C32.1 92.98,39.08 91.71,37.8 U7.2
/50V Boost/FA: length 3.5
  Top w0.2: 95.71,37.77 99.26,37.77
/50V Boost/FB: length 12.7
  Top w0.4: 93.86,45.55 C33.1 93.86,38.38 92.01,36.53 U7.3 ; RV1.3 R16.1
/50V Boost/G_DR: length 14.8
  Top w0.8: U7.6 94.76,36.53 92.13,33.9 89.38,33.9 88.33,34.95 Q1.1
/50V Boost/I_SEN: length 1.9
  Top w0.4: U7.1 88.83,39.07
/50V Boost/SRC: length 6.3
  Top w0.4: R15.1 84.27,38.49 84.95,39.17 R13.2
  Top w0.8: Q1.2 84.12,36.85
/50V Boost/SW_NODE: length 9.3
  Top w0.8: Q1.3 77.63,35.9 ; L1.2 77.3,35.57
/75V Boost/COMP: length 4.5
  Top w0.2: U8.2 127.71,37.8 128.98,39.08 C37.1
/75V Boost/FA: length 3.5
  Top w0.2: 131.71,37.77 135.26,37.77
/75V Boost/FB: length 12.7
  Top w0.4: RV2.3 R23.1 ; U8.3 128.01,36.53 129.86,38.38 C38.1 129.86,45.55
/75V Boost/G_DR: length 14.8
  Top w0.8: Q2.1 124.33,34.95 125.38,33.9 128.13,33.9 130.76,36.53 U8.6
/75V Boost/I_SEN: length 1.9
  Top w0.4: U8.1 124.83,39.07
/75V Boost/SRC: length 6.3
  Top w0.4: R22.1 120.27,38.49 120.95,39.17 R20.2
  Top w0.8: Q2.2 120.12,36.85
/75V Boost/SW_NODE: length 9.3
  Top w0.8: L2.2 113.3,35.57 ; Q2.3 113.63,35.9
/B0: length 14.1
  Top w0.2: TP1.1 37.4,19.8 37.4,21.8 36.4,22.8 35.6,22.8 34.7,23.7 34.7,26.1 33.3,27.5 31.89,27.5 31.2,26.81 U3.60
/CC1: length 8.2
  Top w0.2: R4.1 9.5,38.9 10.6,37.8 10.6,35.4 9.2,34 7.94,34
/CC2: length 7.4
  Top w0.2: 7.94,31 7.12,31 v1(6.71,31.41) ; v1(5.6,27.5) 6.5,26.6 R5.1
  Bottom w0.2: v1(6.71,31.41) 5.6,30.3 v1(5.6,27.5)
/CD+: length 8.2
  Top w0.2: U5.3 11.82,31.3 11.62,31.5 11.27,31.5 10.8,31.97 10.8,32.03 9.06,32.03 9.03,32 6.97,32 6.92,32.05 6.92,32.95 6.97,33 7.94,33
/CD-: length 8.3
  Top w0.2: 7.94,33.5 8.9,33.5 8.97,33.43 8.97,32.55 8.92,32.5 7.94,32.5 9.03,32.5 9.06,32.47 10.8,32.47 10.8,32.63 11.27,33.1 11.72,33.1 11.82,33.2 U5.1
/F+: length 147.7
  Top w1: v2(18,62.9) 19.1,64 133,64 136.5,60.5 136.5,56.83 U2.6 ; U1.1 U1.4 17,58.5 18,59.5 v2(18,59.9)
  Bottom w1: v2(18,59.9) v2(18,62.9)
/F-: length 41.2
  Top w0.6: JP1.2 141.19,29.64 147.55,36 147.55,40.7 U2.4
  Top w1: U2.4 146.5,45.75 146.5,57.5 U1.65 U1.62
/HOLD: length 1.6
  Top w0.2: 31.38,17.78 U6.7
/MCO: length 4.5
  Top w0.2: TP2.1 22.88,31.42 U3.41
/OSC32_IN: length 5.8
  Top w0.2: 40.53,27.9 C20.1 38.47,27.9 37.45,28.92 U3.3
/OSC32_OUT: length 9.1
  Top w0.2: U3.4 42.22,29.42 ; 43.7,27.95 C21.1
/OSC_IN: length 11.5
  Top w0.2: Y1.2 43.4,33.78 42.28,32.65 C16.1 40.48,30.28 37.1,30.28 36.75,29.92 U3.5
/OSC_OUT: length 9.7
  Top w0.2: Y1.1 39.7,33.78 40.75,32.72 C17.1 39.7,31.03 36.75,31.03 36.15,30.42 U3.6
/SWCLK: length 10.7
  Top w0.2: U3.49 25.7,25.12 22.33,21.75 J2.3
/SWDIO: length 11.6
  Top w0.2: J2.2 21.94,24.29 25,27.35 25,28.67 24.75,28.92 U3.46
/TEST: length 1.8
  Top w0.4: R1.2 29.53,58.52
/VCAP_1: length 2.1
  Top w0.3: U3.31 26.2,38.28 26.75,38.83 C22.1
/VCAP_2: length 1.9
  Top w0.3: 21.92,28.58 22.7,28.58 22.85,28.42 U3.47
/WP: length 1.8
  Top w0.2: U6.3 20.86,16.5
D+: length 10.1
  Top w0.2: U5.4 16.08,31.3 16.91,31.3 17.64,32.03 18.33,32.03 20.91,29.45 22.59,29.45 22.61,29.42 U3.45
D-: length 10.1
  Top w0.2: U3.44 22.61,29.92 22.59,29.9 21.09,29.9 18.52,32.47 17.74,32.47 16.91,33.3 16.09,33.3 15.98,33.2 U5.6
DISP_CLK: length 45.2
  Top w0.2: U1.13 37.5,57.8 27.9,48.2 27.9,39 27.2,38.3 U3.29 ; v3(28,54.4) 17.48,54.4 J1.8
  Bottom w0.2: v3(28,54.4) 34.1,54.4
  vias: v3(34.15,54.45)
DISP_CS: length 49.7
  Top w0.2: U1.12 v3(32.6,55.6) 23.3,46.3 23.3,35.9 U3.33 ; J1.6 16.14,55.6 v3(29.1,55.6)
  Bottom w0.2: v3(29.1,55.6) v3(32.6,55.6)
DISP_DIO: length 53.7
  Top w0.2: U1.11 31.5,56.5 ; 31.5,56.5 14.5,56.5 J1.4 ; 31.5,56.5 22.1,47.1 22.1,34.69 22.87,33.92 U3.36
FLASH_CLK: length 20.3
  Top w0.2: U3.51 26.7,18.03 28.22,16.5 U6.6 ; 30.39,16.5 31.2,15.7 31.2,12.5 34.2,9.5
FLASH_CS: length 21.9
  Top w0.2: TP3.1 22.3,11.3 22.3,13.3 20,15.6 20,17.23 21.81,19.05 U6.1 23.72,19.05 24.2,19.53 24.2,22.17 26.2,24.17 U3.50
FLASH_MISO: length 22.1
  Top w0.2: v1(26.1,22.72) 26.1,22.6 25.5,22 25.5,19.08 24.2,17.78 ; TP6.1 22.9,12 22.9,13.6 24.2,14.9 24.2,17.78 ; 24.2,17.78 U6.2 ; U3.52 27.2,24.5 27.6,24.1 v1(27.6,22.7)
  Bottom w0.2: v1(26.1,22.72) 27.58,22.72 v1(27.6,22.7)
FLASH_MOSI: length 18.1
  Top w0.2: v1(28.35,15.88) 28.99,15.23 U6.5 30.3,14.73 TP5.1 ; U3.53 27.7,25.17 28.35,24.53 v1(28.35,17.42)
  Bottom w0.2: v1(28.35,17.42) v1(28.35,15.88)
SW1: length 133.9
  Top w0.2: C26.1 131,22.97 ; U3.25 29.2,42.4 32.8,46 44.6,46 53.15,37.45 53.15,31.75 61,23.9 70.8,23.9 85.2,9.5 113.8,9.5 127.32,23.03 R6.2
SW2: length 132.2
  Top w0.2: U3.24 29.7,42.1 32.9,45.3 44.2,45.3 52.3,37.2 52.3,31.2 60.4,23.1 70.6,23.1 85.1,8.6 114.4,8.6 125.62,19.83 R7.2 ; C27.1 131,19.78
SW3: length 130.1
  Top w0.2: R8.2 123.62,16.62 114.8,7.8 84.7,7.8 70.3,22.2 60.1,22.2 51.4,30.9 51.4,36.8 43.8,44.4 32.8,44.4 30.2,41.8 U3.23 ; C28.1 131,16.58
TILT: length 42
  Top w0.2: R3.2 56.78,34.65 ; U3.26 28.7,42.6 33,46.9 45.1,46.9 56.82,35.17 C25.1
Net-(C32-Pad2): length 1.5
  Top w0.2: C32.2 89.93,40.8
Net-(C37-Pad2): length 1.5
  Top w0.2: C37.2 R24.1
Net-(J3-SHIELD): length 19.8
  Top w0.4: 4.5,28.43 J3.S1 J3.S1 J3.S1 ; 4.5,28.43 J3.S1 ; 4.5,28.43 N1.1
Net-(J4-Pin_2): length 8.5
  Top w0.2: R8.1 135.32,16.62 135.79,17.09 J4.2
Net-(J4-Pin_3): length 8.1
  Top w0.2: R7.1 140.71,19.83
Net-(J4-Pin_4): length 8.7
  Top w0.2: J4.4 136.63,22.17 135.78,23.03 R6.1
Net-(R12-Pad2): length 4.9
  Top w0.4: RV1.1 89.93,43.6 RV1.2 ; R12.2 88.41,44.08
Net-(R19-Pad2): length 4.9
  Top w0.4: R19.2 124.41,44.08 ; RV2.1 125.93,43.6 RV2.2
Net-(SW2-B): length 9.6
  Top w0.2: R3.1 58.43,32.28 SW2.2
Net-(U1-~{RESET}): length 1.8
  Top w0.4: U1.10 31.5,60.33
Net-(U3-NRST): length 27.1
  Top w0.2: C15.2 44.1,48.5 v1(43.2,47.6) ; v1(39.3,43.7) 33.98,38.38 33.98,35.48 33.1,34.6 33.1,32.14 34.32,30.92 U3.7 ; SW1.2 44.15,50.3
  Bottom w0.2: v1(39.3,43.7) v1(43.2,47.6)

## Copper pours and planes (outline as drawn; the poured copper is in the pictures)
GND on Bottom: -6.62,69.5 158.38,69.5 158.38,-2.5 -6.62,-2.5

## Text on the board
B.Silkscreen: GP1274AI
F.Silkscreen: MCO | CS | MISO | MOSI | CLK | B0 | NRST | 3V3 / DIO / CLK / GND | 1 / 2 / 3 / GND | LWQ | 50V | 75V
